# KiCad board panel.kicad_pcb (continued)
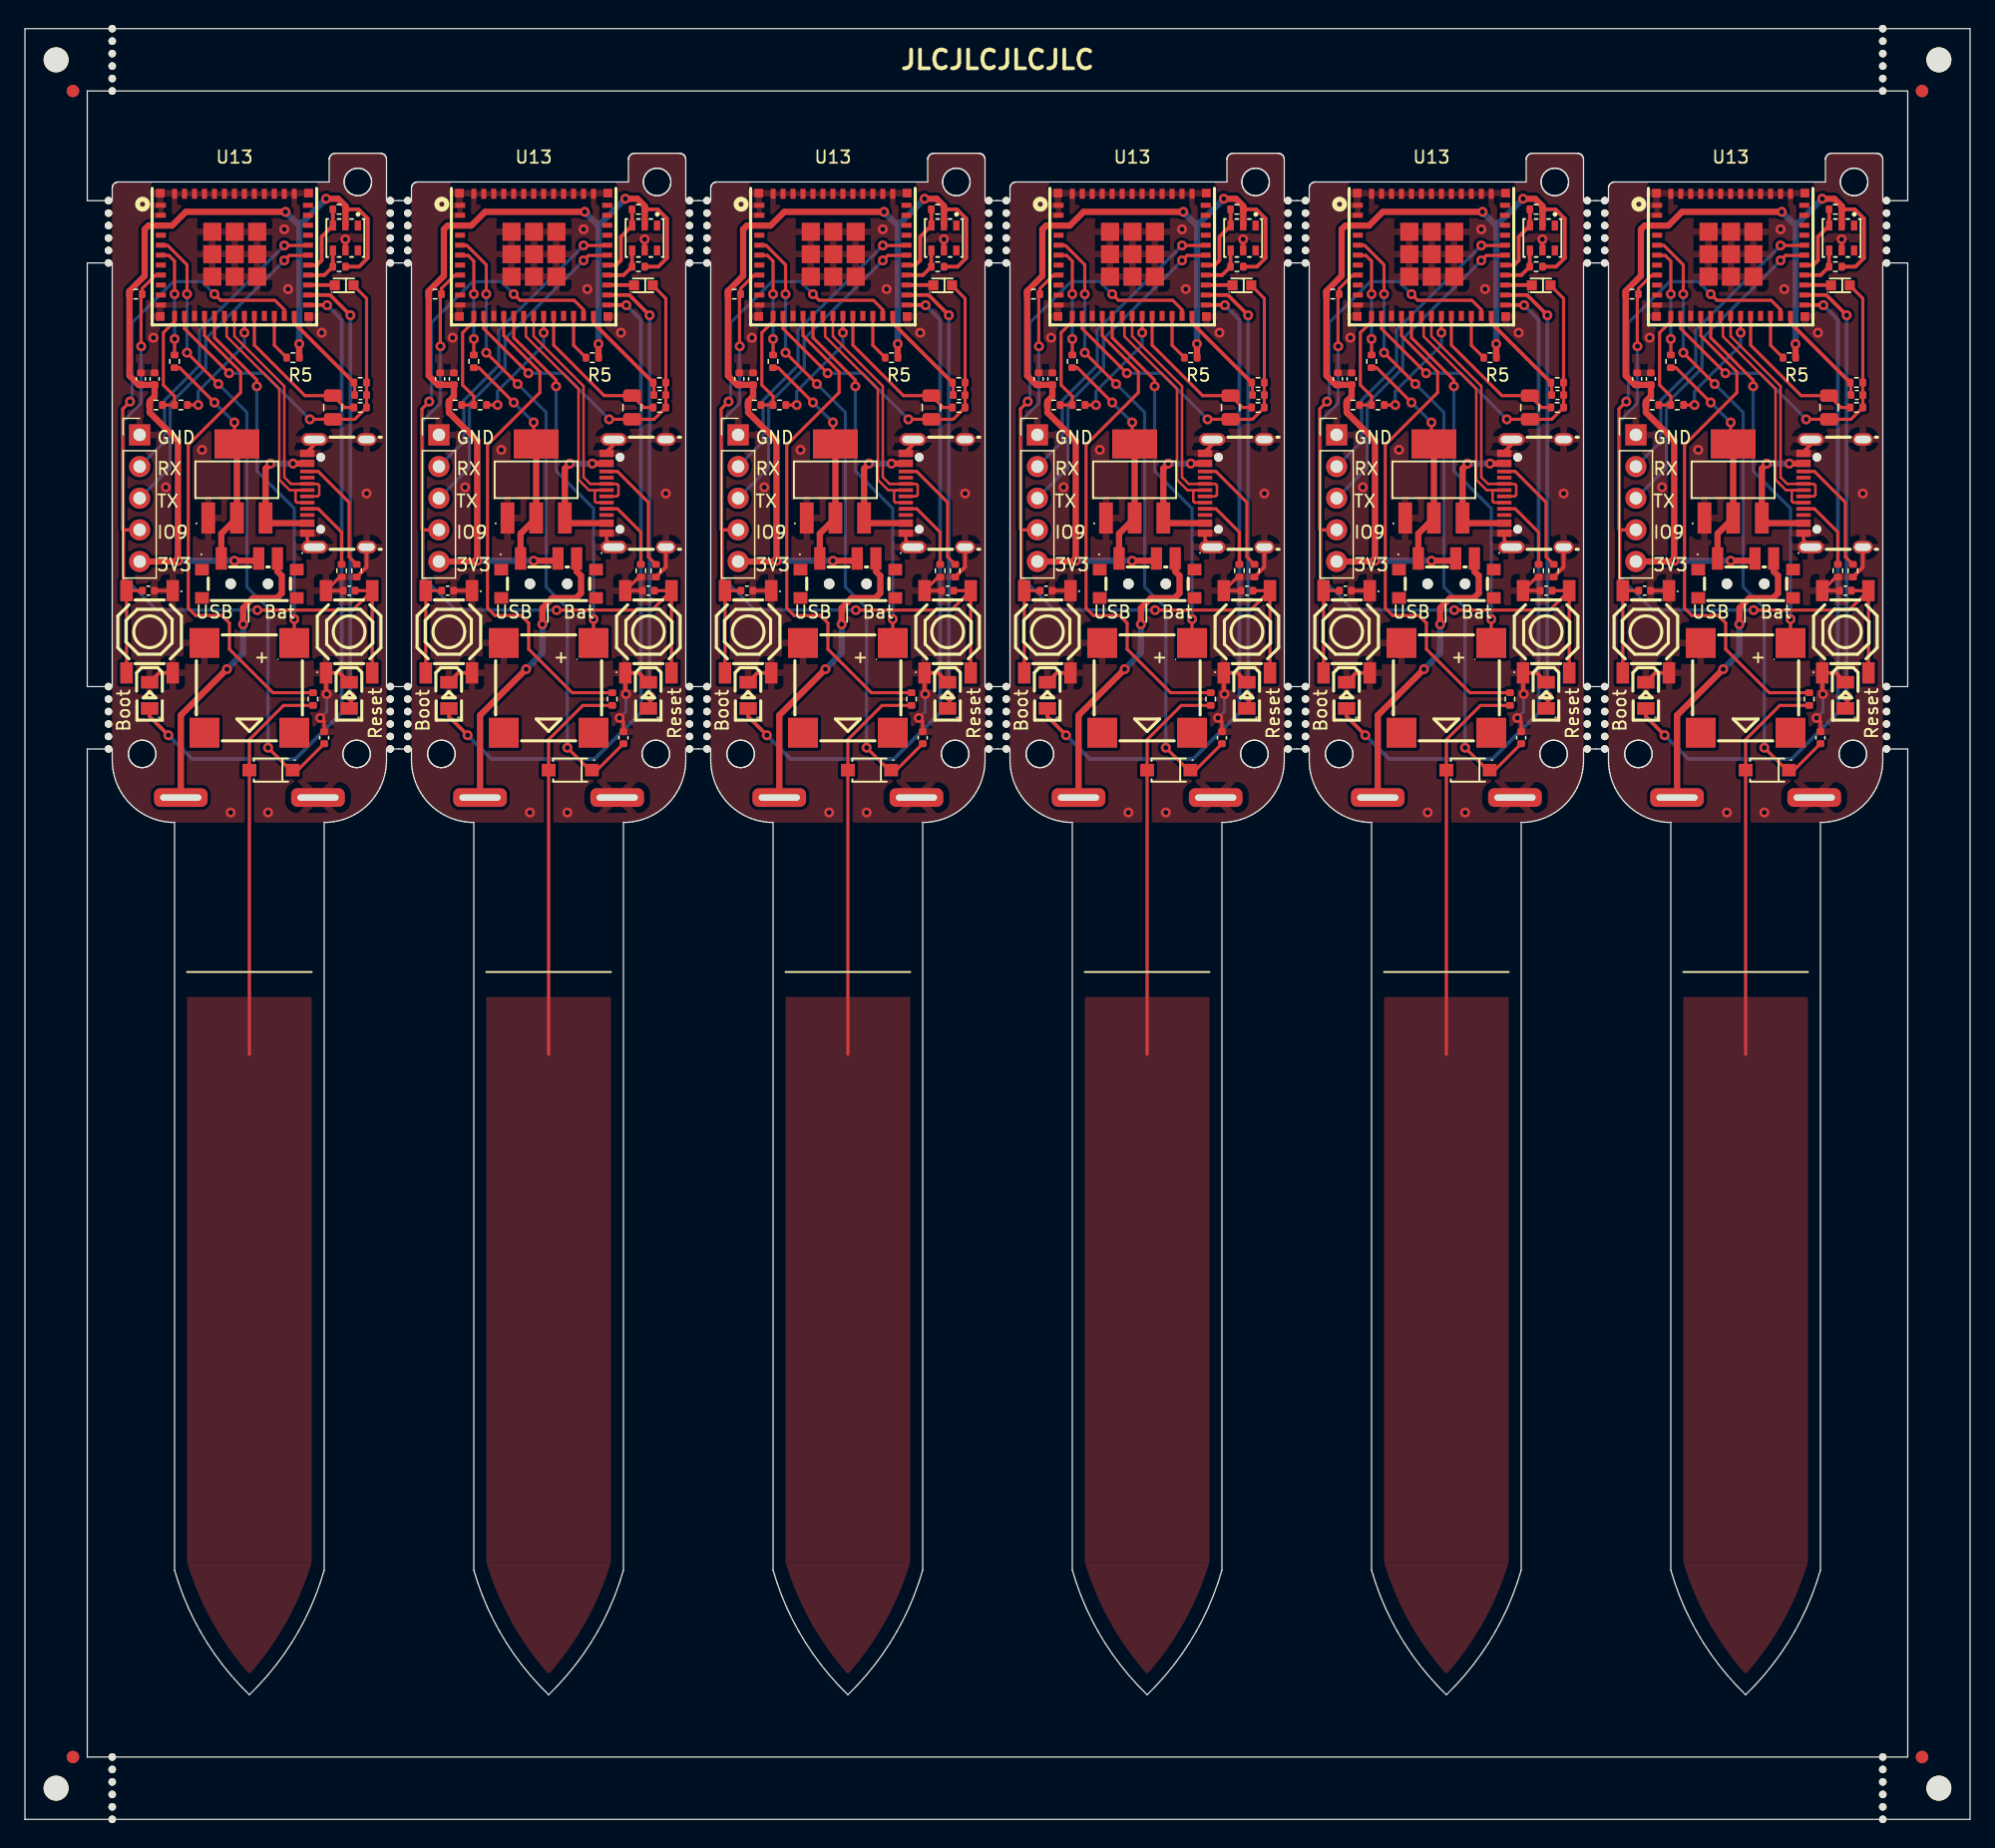
[diagram p0: board, top side]
## Routing (per net, layer and track width the routed paths; a pad name or vN(x,y) marks a point on that pad's centre or on a via; arc(x,y) is an arc through that point) (continued)
Board_2-/Buzzer: length 28.9
  Top w0.25: v1(69.6,96.31) BZ1#5.1 ; v1(66.6,115) 66.6,115.5 63.2,118.9 63.2,120.6
  Bottom w0.25: v1(69.6,96.31) 69.6,105.2 66.6,108.2 v1(66.6,115)
Board_2-/D+: length 19.4
  Top w0.2: 64.8,120.6 64.8,119.02 68.8,115.02 68.8,107.7 69.33,107.17 U1#5.B6 71.47,107.17 71.6,107.04 71.6,106.3 71.47,106.17 U1#5.A6
Board_2-/D-: length 20.3
  Top w0.2: 64,120.6 64,120.1 64.18,119.92 64.18,119.01 68.4,114.78 68.4,107.5 69.23,106.67 U1#5.A7 69.82,106.67 69.7,106.55 69.7,105.79 69.82,105.67 U1#5.B7
Board_2-/EN: length 55.4
  Top w0.25: C1#4.2 U3#5.2 ; U3#5.2 74.29,97.04 v1(66.64,97.04) ; U3#5.2 U3#5.2 ; v1(57.32,118.21) 57.31,118.22 57.31,122.31 R9#5.2 57.4,122.85 58.45,123.9 58.9,123.9
  Bottom w0.25: v1(66.64,97.04) 58.56,97.04 55.9,99.7 55.9,112.22 57.31,113.63 57.31,118.2 v1(57.32,118.21)
Board_2-/IO8: length 3.7
  Top w0.25: 68,120.6 68,118.29 R5#2.1
Board_2-/IO9: length 46.2
  Top w0.25: J1.4 55.92,103.48 55.9,103.5 ; C2#4.2 U4#4.2 ; U4#4.2 U4#4.2 ; U4#4.2 55.9,98.85 55.9,103.5 ; 55.9,103.5 55.84,103.56 55.84,113.18 v1(56.43,113.77) ; v1(63.2,122.4) 63.7,121.9 68.05,121.9 68.8,121.15 68.8,120.6
  Bottom w0.25: v1(56.43,113.77) 56.6,113.94 56.6,120.1 59.9,123.4 62.2,123.4 v1(63.2,122.4)
Board_2-/LED_GREEN: length 53.7
  Top w0.3: v1(72.23,121.51) 72.22,121.52 U13#6.25 ; v1(59.5,87) 58,88.5 D1#2.1
  Bottom w0.3: v1(59.5,87) 61.4,85.1 69.7,85.1 73.4,88.8 73.4,120.34 v1(72.23,121.51)
Board_2-/LED_RED: length 35.7
  Top w0.3: U13#6.26 72.48,122.32 v1(74.1,120.7) ; D3#2.1 74.15,89.3 v1(74.15,90.1)
  Bottom w0.3: v1(74.15,90.1) 74.1,90.15 v1(74.1,120.7)
Board_2-/Light_Sensor_Analog: length 29.2
  Top w0.25: v1(64.37,116.05) 60.8,119.62 60.8,120.6 ; v1(70.85,112.35) 74.45,112.35 R3#2.1 C5#6.1 R1#3.1 75.4,122.05 U6#2.2
  Bottom w0.25: v1(64.37,116.05) 67.15,116.05 v1(70.85,112.35)
Board_2-/Light_Sensor_In: length 2.2
  Top w0.3: U13#6.27 72.82,123.13 U6#2.1
Board_2-/Light_Sensor_Select_1: length 8.4
  Top w0.25: C5#6.2 74.44,115.24 R1#3.2
  Top w0.3: U13#6.24 69.6,120.08 R1#3.2
Board_2-/Light_Sensor_Select_2: length 12.4
  Top w0.25: R3#2.2 73.65,113.3 C7#4.2 70.45,114.25 66.4,118.3 66.4,120.6
Board_2-/RX: length 26
  Top w0.25: v1(68.8,125.1) 69.2,125.5 70.7,125.5
  Bottom w0.25: J1.3 59.65,108.47 59.65,113.6 62.5,116.45 62.5,118.8 v1(68.8,125.1)
Board_2-/SensorCapV: length 31.5
  Top w0.25: R8#5.1 68.74,89.39 66,86.65 66,61.4
Board_2-/Square_Wave_Signal: length 40.4
  Top w0.25: R8#5.2 67.89,90.41 64.4,93.9 64.4,96 63.8,96.6 61.7,96.6 61.1,97.2 61.1,110.3 65.3,114.5 65.3,116.16 62.4,119.06 62.4,120.6
Board_2-/TH_SCL: length 5.7
  Top w0.3: U13#6.29 71.42,124.72 71.8,125.1 71.8,127 U5.3 72.7,129.19 R2.1
Board_2-/TH_SDA: length 3.6
  Top w0.3: U5.4 72.69,125.89 R10#5.1 72.01,123.92 U13#6.28
Board_2-/TX: length 24.4
  Top w0.25: v1(68.8,126.3) 70.7,126.3
  Bottom w0.25: v1(68.8,126.3) 62,119.5 62,116.68 59.2,113.88 59.2,110.56 J1.2
Board_2-/USB: length 18.1
  Top w0.25: R7#4.1 60.41,116.49 v1(63.2,113.7) ; U7#3.4 64.8,110.57 v1(64.8,112.1)
  Top w0.5: U8.1 63.75,103.18 U7#3.2 U7#3.4
  Bottom w0.25: v1(63.2,113.7) v1(64.8,112.1)
Board_2-/Voltage_Measurement_Analog: length 8.8
  Top w0.25: 60,120.6 60,120.2 59.1,119.3 59.1,115.1 60,114.2 R6#5.1 R4#4.2
Board_2-/Voltage_Measurement_Select: length 9.5
  Top w0.25: v1(61.9,113.5) R6#5.2 ; v1(65.6,119.3) 65.6,120.6
  Bottom w0.25: v1(61.9,113.5) 61.9,114.6 65.6,118.3 v1(65.6,119.3)
Board_2-GND: length 19.9
  Top w0.25: 72.1,98.42 72.12,98.4 ; v1(71.69,88.39) 72,88.08 C3#3.1 ; U1#5.1 70.64,102.67 U1#5.A1B12 ; C1#4.1 U3#5.1 73.24,99.69 R11.1 ; C2#4.1 U4#4.1
  Top w0.3: D3#2.2 73.25,92 U3#5.1 72.15,90.35 v1(72.2,90.3) ; D1#2.2 58.75,92 U4#4.1 ; R12#5.1 75.4,100.49 U1#5.4 ; U1#5.B1A12 70.64,109.74 71.22,110.32 ; U5.5 v1(73.7,126.8)
  Bottom w0.25: v1(71.69,88.39) 72.2,88.9 v1(72.2,90.3)
  vias: v1(58.3,118.9) v1(59.3,106.9) v1(62.2,109.9) v1(64.5,80.8) v1(67.5,80.8) v1(68.8,127.6) v1(69.1,122.8) v1(71.8,119.3) v1(75.4,106.4)
Board_2-Net-(U1-CC1): length 6.1
  Top w0.25: U1#5.A5 71.52,105.17 73.4,103.29 R11.2
Board_2-Net-(U1-CC2): length 9.6
  Top w0.25: R12#5.2 74,101.31 74,105.69 71.52,108.17 U1#5.B5
Board_2-Net-(U7-VIN): length 11.1
  Top w0.5: U1#5.B4A9 70.63,108.8 v1(69.5,108.8) ; v1(67.7,108.8) 67.3,108.4 U7#3.3 ; U7#3.3 67.71,104.02 U1#5.A4B9 ; U7#3.3 67.37,104.5
  Bottom w0.5: v1(67.7,108.8) v1(69.5,108.8)
Board_2-Net-(U13-IO3): length 8.8
  Top w0.25: v1(60,122.4) 60,125.05 59.55,125.5 58.9,125.5 ; v1(60,118.8) R7#4.2
  Bottom w0.25: v1(60,122.4) v1(60,118.8)
Board_3-+3V3: length 77.3
  Top w0.3: R2#4.2 98.75,129.2 99.5,128.45 99.5,125.3 98.8,124.6 R10#6.2
  Top w0.5: v1(92.9,129) 84.9,129 83.8,127.9 81.9,127.9 81.6,127.6 81.6,123.86 80.38,122.64 80.38,115.85 81.11,115.12 C8#6.1 82.4,114.2 82,113.8 R4.1 82,112.9 84.28,110.62 ; v1(94,118.4) 94,117.31 R5#5.2 ; 84.28,110.62 84.28,110.68 ; 84.28,110.62 v1(84.28,101) 84.22,100.94 J1#3.5 ; v1(96.15,130.05) 97.12,130.05 97.71,129.46 R2#4.2 97.71,127.91 U5#2.2 ; v1(88.8,101) 90.57,101 U8#6.2
  Bottom w0.5: v1(88.8,101) v1(84.28,101) ; v1(92.9,129) 94,127.9 ; 94,127.9 v1(96.15,130.05) ; 94,127.9 v1(94,118.4)
Board_3-/AD_Capacitance: length 50.3
  Top w0.25: 82.9,126.3 83.45,126.3 85,124.75 v1(85,122.4) ; v1(85,117.7) v1(87.51,115.19) ; C3#6.2 93.88,84.2 D2#4.1 93.3,84.2 v1(91.5,86)
  Bottom w0.25: v1(85,117.7) v1(85,122.4) ; v1(91.5,86) 91.5,97.2 89.8,98.9 89.8,112.9 v1(87.51,115.19)
Board_3-/BAT: length 24.2
  Top w0.5: v1(88.2,92.3) 84.5,88.6 84.5,81.9 ; v1(89.5,95.9) 89.5,97.2 90.3,98 92.2,98 92.6,98.4 92.6,99.8 92.25,100.15 92.25,101.45
  Bottom w0.5: v1(88.2,92.3) 89.5,93.6 v1(89.5,95.9)
Board_3-/Buzzer: length 28.9
  Top w0.25: 87.2,120.6 87.2,118.9 90.6,115.5 v1(90.6,115) ; v1(93.6,96.31) BZ1#2.1
  Bottom w0.25: v1(93.6,96.31) 93.6,105.2 90.6,108.2 v1(90.6,115)
Board_3-/D+: length 19.4
  Top w0.2: U1#2.A6 95.47,106.17 95.6,106.3 95.6,107.04 95.47,107.17 U1#2.B6 93.33,107.17 92.8,107.7 92.8,115.02 88.8,119.02 88.8,120.6
Board_3-/D-: length 20.3
  Top w0.2: 88,120.6 88,120.1 88.18,119.92 88.18,119.01 92.4,114.78 92.4,107.5 93.23,106.67 U1#2.A7 93.82,106.67 93.7,106.55 93.7,105.79 93.82,105.67 U1#2.B7
Board_3-/EN: length 55.4
  Top w0.25: U3#3.2 U3#3.2 ; U3#3.2 C1.2 ; U3#3.2 98.29,97.04 v1(90.64,97.04) ; v1(81.32,118.21) 81.31,118.22 81.31,122.31 R9.2 81.4,122.85 82.45,123.9 82.9,123.9
  Bottom w0.25: v1(81.32,118.21) 81.31,118.2 81.31,113.63 79.9,112.22 79.9,99.7 82.56,97.04 v1(90.64,97.04)
Board_3-/IO8: length 3.7
  Top w0.25: R5#5.1 92,118.29 92,120.6
Board_3-/IO9: length 46.2
  Top w0.25: C2#6.2 U4.2 ; U4.2 79.9,98.85 79.9,103.5 ; U4.2 U4.2 ; v1(80.43,113.77) 79.84,113.18 79.84,103.56 79.9,103.5 ; 92.8,120.6 92.8,121.15 92.05,121.9 87.7,121.9 v1(87.2,122.4) ; 79.9,103.5 79.92,103.48 J1#3.4
  Bottom w0.25: v1(87.2,122.4) 86.2,123.4 83.9,123.4 80.6,120.1 80.6,113.94 v1(80.43,113.77)
Board_3-/LED_GREEN: length 53.7
  Top w0.3: v1(83.5,87) 82,88.5 D1#5.1 ; v1(96.23,121.51) 96.22,121.52 U13#3.25
  Bottom w0.3: v1(83.5,87) 85.4,85.1 93.7,85.1 97.4,88.8 97.4,120.34 v1(96.23,121.51)
Board_3-/LED_RED: length 35.7
  Top w0.3: v1(98.1,120.7) 96.48,122.32 U13#3.26 ; D3#5.1 98.15,89.3 v1(98.15,90.1)
  Bottom w0.3: v1(98.1,120.7) 98.1,90.15 v1(98.15,90.1)
Board_3-/Light_Sensor_Analog: length 29.2
  Top w0.25: U6#3.2 99.4,122.05 R1#6.1 C5#3.1 R3#6.1 98.45,112.35 v1(94.85,112.35) ; v1(88.37,116.05) 84.8,119.62 84.8,120.6
  Bottom w0.25: v1(88.37,116.05) 91.15,116.05 v1(94.85,112.35)
Board_3-/Light_Sensor_In: length 2.2
  Top w0.3: U13#3.27 96.82,123.13 U6#3.1
Board_3-/Light_Sensor_Select_1: length 8.4
  Top w0.25: R1#6.2 98.44,115.24 C5#3.2
  Top w0.3: R1#6.2 93.6,120.08 U13#3.24
Board_3-/Light_Sensor_Select_2: length 12.4
  Top w0.25: R3#6.2 97.65,113.3 C7#2.2 94.45,114.25 90.4,118.3 90.4,120.6
Board_3-/RX: length 26
  Top w0.25: 94.7,125.5 93.2,125.5 v1(92.8,125.1)
  Bottom w0.25: J1#3.3 83.65,108.47 83.65,113.6 86.5,116.45 86.5,118.8 v1(92.8,125.1)
Board_3-/SensorCapV: length 31.5
  Top w0.25: R8#3.1 92.74,89.39 90,86.65 90,61.4
Board_3-/Square_Wave_Signal: length 40.4
  Top w0.25: R8#3.2 91.89,90.41 88.4,93.9 88.4,96 87.8,96.6 85.7,96.6 85.1,97.2 85.1,110.3 89.3,114.5 89.3,116.16 86.4,119.06 86.4,120.6
Board_3-/TH_SCL: length 5.7
  Top w0.3: U13#3.29 95.42,124.72 95.8,125.1 95.8,127 U5#2.3 96.7,129.19 R2#4.1
Board_3-/TH_SDA: length 3.6
  Top w0.3: U5#2.4 96.69,125.89 R10#6.1 96.01,123.92 U13#3.28
Board_3-/TX: length 24.4
  Top w0.25: v1(92.8,126.3) 94.7,126.3
  Bottom w0.25: J1#3.2 83.2,110.56 83.2,113.88 86,116.68 86,119.5 v1(92.8,126.3)
Board_3-/USB: length 18.1
  Top w0.25: v1(87.2,113.7) 84.41,116.49 R7#5.1 ; U7.4 88.8,110.57 v1(88.8,112.1)
  Top w0.5: U8#6.1 87.75,103.18 U7.2 U7.4
  Bottom w0.25: v1(87.2,113.7) v1(88.8,112.1)
Board_3-/Voltage_Measurement_Analog: length 8.8
  Top w0.25: 84,120.6 84,120.2 83.1,119.3 83.1,115.1 84,114.2 R6#6.1 R4.2
Board_3-/Voltage_Measurement_Select: length 9.5
  Top w0.25: v1(85.9,113.5) R6#6.2 ; v1(89.6,119.3) 89.6,120.6
  Bottom w0.25: v1(89.6,119.3) 89.6,118.3 85.9,114.6 v1(85.9,113.5)
Board_3-GND: length 19.9
  Top w0.25: 96.1,98.42 96.12,98.4 ; C2#6.1 U4.1 ; v1(95.69,88.39) 96,88.08 C3#6.1 ; U1#2.1 94.64,102.67 U1#2.A1B12 ; C1.1 U3#3.1 97.24,99.69 R11#2.1
  Top w0.3: v1(96.2,90.3) 96.15,90.35 U3#3.1 97.25,92 D3#5.2 ; U1#2.4 99.4,100.49 R12#2.1 ; U5#2.5 v1(97.7,126.8) ; U4.1 82.75,92 D1#5.2 ; 95.22,110.32 94.64,109.74 U1#2.B1A12
  Bottom w0.25: v1(95.69,88.39) 96.2,88.9 v1(96.2,90.3)
  vias: v1(82.3,118.9) v1(83.3,106.9) v1(86.2,109.9) v1(88.5,80.8) v1(91.5,80.8) v1(92.8,127.6) v1(93.1,122.8) v1(95.8,119.3) v1(99.4,106.4)
Board_3-Net-(U1-CC1): length 6.1
  Top w0.25: R11#2.2 97.4,103.29 95.52,105.17 U1#2.A5
Board_3-Net-(U1-CC2): length 9.6
  Top w0.25: U1#2.B5 95.52,108.17 98,105.69 98,101.31 R12#2.2
Board_3-Net-(U7-VIN): length 11.1
  Top w0.5: U1#2.B4A9 94.63,108.8 v1(93.5,108.8) ; U7.3 91.37,104.5 ; U7.3 91.3,108.4 v1(91.7,108.8) ; U7.3 91.71,104.02 U1#2.A4B9
  Bottom w0.5: v1(91.7,108.8) v1(93.5,108.8)
Board_3-Net-(U13-IO3): length 8.8
  Top w0.25: v1(84,122.4) 84,125.05 83.55,125.5 82.9,125.5 ; v1(84,118.8) R7#5.2
  Bottom w0.25: v1(84,122.4) v1(84,118.8)
Board_4-+3V3: length 77.3
  Top w0.3: R2#2.2 122.75,129.2 123.5,128.45 123.5,125.3 122.8,124.6 R10#3.2
  Top w0.5: 108.28,110.62 106,112.9 R4#5.1 106,113.8 106.4,114.2 C8#2.1 105.11,115.12 104.38,115.85 104.38,122.64 105.6,123.86 105.6,127.6 105.9,127.9 107.8,127.9 108.9,129 v1(116.9,129) ; 108.28,110.62 108.28,110.68 ; 108.28,110.62 v1(108.28,101) 108.22,100.94 J1#5.5 ; v1(120.15,130.05) 121.12,130.05 121.71,129.46 R2#2.2 121.71,127.91 U5#3.2 ; U8#3.2 114.57,101 v1(112.8,101) ; R5#4.2 118,117.31 v1(118,118.4)
  Bottom w0.5: v1(116.9,129) 118,127.9 ; 118,127.9 v1(118,118.4) ; 118,127.9 v1(120.15,130.05) ; v1(112.8,101) v1(108.28,101)
Board_4-/AD_Capacitance: length 50.3
  Top w0.25: v1(109,122.4) 109,124.75 107.45,126.3 106.9,126.3 ; C3#2.2 117.88,84.2 D2#3.1 117.3,84.2 v1(115.5,86) ; v1(109,117.7) v1(111.51,115.19)
  Bottom w0.25: v1(111.51,115.19) 113.8,112.9 113.8,98.9 115.5,97.2 v1(115.5,86) ; v1(109,117.7) v1(109,122.4)
Board_4-/BAT: length 24.2
  Top w0.5: 108.5,81.9 108.5,88.6 v1(112.2,92.3) ; 116.25,101.45 116.25,100.15 116.6,99.8 116.6,98.4 116.2,98 114.3,98 113.5,97.2 v1(113.5,95.9)
  Bottom w0.5: v1(113.5,95.9) 113.5,93.6 v1(112.2,92.3)
Board_4-/Buzzer: length 28.9
  Top w0.25: 111.2,120.6 111.2,118.9 114.6,115.5 v1(114.6,115) ; v1(117.6,96.31) BZ1#6.1
  Bottom w0.25: v1(114.6,115) 114.6,108.2 117.6,105.2 v1(117.6,96.31)
Board_4-/D+: length 19.4
  Top w0.2: 112.8,120.6 112.8,119.02 116.8,115.02 116.8,107.7 117.33,107.17 U1#4.B6 119.47,107.17 119.6,107.04 119.6,106.3 119.47,106.17 U1#4.A6
Board_4-/D-: length 20.3
  Top w0.2: 112,120.6 112,120.1 112.17,119.92 112.17,119.01 116.4,114.78 116.4,107.5 117.23,106.67 U1#4.A7 117.82,106.67 117.7,106.55 117.7,105.79 117.82,105.67 U1#4.B7
Board_4-/EN: length 55.4
  Top w0.25: C1#5.2 U3#4.2 ; U3#4.2 U3#4.2 ; U3#4.2 122.29,97.04 v1(114.64,97.04) ; 106.9,123.9 106.45,123.9 105.4,122.85 R9#3.2 105.31,122.31 105.31,118.22 v1(105.32,118.21)
  Bottom w0.25: v1(105.32,118.21) 105.31,118.2 105.31,113.63 103.9,112.22 103.9,99.7 106.56,97.04 v1(114.64,97.04)
Board_4-/IO8: length 3.7
  Top w0.25: 116,120.6 116,118.29 R5#4.1
Board_4-/IO9: length 46.2
  Top w0.25: C2.2 U4#5.2 ; U4#5.2 103.9,98.85 103.9,103.5 ; U4#5.2 U4#5.2 ; 103.9,103.5 103.92,103.48 J1#5.4 ; 103.9,103.5 103.84,103.56 103.84,113.18 v1(104.43,113.77) ; v1(111.2,122.4) 111.7,121.9 116.05,121.9 116.8,121.15 116.8,120.6
  Bottom w0.25: v1(111.2,122.4) 110.2,123.4 107.9,123.4 104.6,120.1 104.6,113.94 v1(104.43,113.77)
Board_4-/LED_GREEN: length 53.7
  Top w0.3: U13.25 120.22,121.52 v1(120.23,121.51) ; v1(107.5,87) 106,88.5 D1#3.1
  Bottom w0.3: v1(120.23,121.51) 121.4,120.34 121.4,88.8 117.7,85.1 109.4,85.1 v1(107.5,87)
Board_4-/LED_RED: length 35.7
  Top w0.3: v1(122.15,90.1) 122.15,89.3 D3#3.1 ; U13.26 120.48,122.32 v1(122.1,120.7)
  Bottom w0.3: v1(122.1,120.7) 122.1,90.15 v1(122.15,90.1)
Board_4-/Light_Sensor_Analog: length 29.2
  Top w0.25: v1(118.85,112.35) 122.45,112.35 R3#5.1 C5#2.1 R1#4.1 123.4,122.05 U6#6.2 ; v1(112.37,116.05) 108.8,119.62 108.8,120.6
  Bottom w0.25: v1(118.85,112.35) 115.15,116.05 v1(112.37,116.05)
Board_4-/Light_Sensor_In: length 2.2
  Top w0.3: U13.27 120.82,123.13 U6#6.1
Board_4-/Light_Sensor_Select_1: length 8.4
  Top w0.25: C5#2.2 122.44,115.24 R1#4.2
  Top w0.3: U13.24 117.6,120.08 R1#4.2
Board_4-/Light_Sensor_Select_2: length 12.4
  Top w0.25: R3#5.2 121.65,113.3 C7.2 118.45,114.25 114.4,118.3 114.4,120.6
Board_4-/RX: length 26
  Top w0.25: v1(116.8,125.1) 117.2,125.5 118.7,125.5
  Bottom w0.25: J1#5.3 107.65,108.47 107.65,113.6 110.5,116.45 110.5,118.8 v1(116.8,125.1)
Board_4-/SensorCapV: length 31.5
  Top w0.25: 114,61.4 114,86.65 116.74,89.39 R8#2.1
Board_4-/Square_Wave_Signal: length 40.4
  Top w0.25: 110.4,120.6 110.4,119.06 113.3,116.16 113.3,114.5 109.1,110.3 109.1,97.2 109.7,96.6 111.8,96.6 112.4,96 112.4,93.9 115.89,90.41 R8#2.2
Board_4-/TH_SCL: length 5.7
  Top w0.3: U13.29 119.42,124.72 119.8,125.1 119.8,127 U5#3.3 120.7,129.19 R2#2.1
Board_4-/TH_SDA: length 3.6
  Top w0.3: U5#3.4 120.69,125.89 R10#3.1 120.01,123.92 U13.28
Board_4-/TX: length 24.4
  Top w0.25: v1(116.8,126.3) 118.7,126.3
  Bottom w0.25: J1#5.2 107.2,110.56 107.2,113.88 110,116.68 110,119.5 v1(116.8,126.3)
Board_4-/USB: length 18.1
  Top w0.25: v1(112.8,112.1) 112.8,110.57 U7#5.4 ; R7#2.1 108.41,116.49 v1(111.2,113.7)
  Top w0.5: U8#3.1 111.75,103.18 U7#5.2 U7#5.4
  Bottom w0.25: v1(111.2,113.7) v1(112.8,112.1)
Board_4-/Voltage_Measurement_Analog: length 8.8
  Top w0.25: 108,120.6 108,120.2 107.1,119.3 107.1,115.1 108,114.2 R6#2.1 R4#5.2
Board_4-/Voltage_Measurement_Select: length 9.5
  Top w0.25: v1(113.6,119.3) 113.6,120.6 ; v1(109.9,113.5) R6#2.2
  Bottom w0.25: v1(113.6,119.3) 113.6,118.3 109.9,114.6 v1(109.9,113.5)
Board_4-GND: length 19.9
  Top w0.25: U1#4.A1B12 118.64,102.67 U1#4.1 ; C2.1 U4#5.1 ; C1#5.1 U3#4.1 121.24,99.69 R11#3.1 ; C3#2.1 120,88.08 v1(119.69,88.39) ; 120.1,98.42 120.12,98.4
  Top w0.3: R12.1 123.4,100.49 U1#4.4 ; U4#5.1 106.75,92 D1#3.2 ; U1#4.B1A12 118.64,109.74 119.22,110.32 ; U5#3.5 v1(121.7,126.8) ; D3#3.2 121.25,92 U3#4.1 120.15,90.35 v1(120.2,90.3)
  Bottom w0.25: v1(120.2,90.3) 120.2,88.9 v1(119.69,88.39)
  vias: v1(106.3,118.9) v1(107.3,106.9) v1(110.2,109.9) v1(112.5,80.8) v1(115.5,80.8) v1(116.8,127.6) v1(117.1,122.8) v1(119.8,119.3) v1(123.4,106.4)
Board_4-Net-(U1-CC1): length 6.1
  Top w0.25: R11#3.2 121.4,103.29 119.52,105.17 U1#4.A5
Board_4-Net-(U1-CC2): length 9.6
  Top w0.25: U1#4.B5 119.52,108.17 122,105.69 122,101.31 R12.2
Board_4-Net-(U7-VIN): length 11.1
  Top w0.5: v1(117.5,108.8) 118.63,108.8 U1#4.B4A9 ; U7#5.3 115.3,108.4 v1(115.7,108.8) ; U7#5.3 115.71,104.02 U1#4.A4B9 ; U7#5.3 115.37,104.5
  Bottom w0.5: v1(115.7,108.8) v1(117.5,108.8)
Board_4-Net-(U13-IO3): length 8.8
  Top w0.25: v1(108,122.4) 108,125.05 107.55,125.5 106.9,125.5 ; v1(108,118.8) R7#2.2
  Bottom w0.25: v1(108,122.4) v1(108,118.8)
Board_5-+3V3: length 77.3
  Top w0.3: R2#5.2 146.75,129.2 147.5,128.45 147.5,125.3 146.8,124.6 R10#2.2
  Top w0.5: 132.28,110.62 v1(132.28,101) 132.22,100.94 J1#6.5 ; 132.28,110.62 130,112.9 R4#2.1 130,113.8 130.4,114.2 C8#5.1 129.11,115.12 128.38,115.85 128.38,122.64 129.6,123.86 129.6,127.6 129.9,127.9 131.8,127.9 132.9,129 v1(140.9,129) ; 132.28,110.62 132.28,110.68 ; U8#4.2 138.57,101 v1(136.8,101) ; v1(142,118.4) 142,117.31 R5#6.2 ; v1(144.15,130.05) 145.12,130.05 145.71,129.46 R2#5.2 145.71,127.91 U5#5.2
  Bottom w0.5: v1(142,118.4) 142,127.9 ; 142,127.9 v1(144.15,130.05) ; 142,127.9 v1(140.9,129) ; v1(136.8,101) v1(132.28,101)
Board_5-/AD_Capacitance: length 50.3
  Top w0.25: v1(133,117.7) v1(135.51,115.19) ; C3.2 141.88,84.2 D2#5.1 141.3,84.2 v1(139.5,86) ; v1(133,122.4) 133,124.75 131.45,126.3 130.9,126.3
  Bottom w0.25: v1(139.5,86) 139.5,97.2 137.8,98.9 137.8,112.9 v1(135.51,115.19) ; v1(133,117.7) v1(133,122.4)
Board_5-/BAT: length 24.2
  Top w0.5: 140.25,101.45 140.25,100.15 140.6,99.8 140.6,98.4 140.2,98 138.3,98 137.5,97.2 v1(137.5,95.9) ; v1(136.2,92.3) 132.5,88.6 132.5,81.9
  Bottom w0.5: v1(137.5,95.9) 137.5,93.6 v1(136.2,92.3)
Board_5-/Buzzer: length 28.9
  Top w0.25: v1(141.6,96.31) BZ1#3.1 ; 135.2,120.6 135.2,118.9 138.6,115.5 v1(138.6,115)
  Bottom w0.25: v1(138.6,115) 138.6,108.2 141.6,105.2 v1(141.6,96.31)
Board_5-/D+: length 19.4
  Top w0.2: U1.A6 143.47,106.17 143.6,106.3 143.6,107.04 143.47,107.17 U1.B6 141.33,107.17 140.8,107.7 140.8,115.02 136.8,119.02 136.8,120.6
Board_5-/D-: length 20.3
  Top w0.2: U1.B7 141.82,105.67 141.7,105.79 141.7,106.55 141.82,106.67 U1.A7 141.23,106.67 140.4,107.5 140.4,114.78 136.17,119.01 136.17,119.92 136,120.1 136,120.6
Board_5-/EN: length 55.4
  Top w0.25: 130.9,123.9 130.45,123.9 129.4,122.85 R9#2.2 129.31,122.31 129.31,118.22 v1(129.32,118.21) ; U3.2 U3.2 ; U3.2 C1#6.2 ; U3.2 146.29,97.04 v1(138.64,97.04)
  Bottom w0.25: v1(138.64,97.04) 130.56,97.04 127.9,99.7 127.9,112.22 129.31,113.63 129.31,118.2 v1(129.32,118.21)
Board_5-/IO8: length 3.7
  Top w0.25: 140,120.6 140,118.29 R5#6.1
Board_5-/IO9: length 46.2
  Top w0.25: U4#3.2 127.9,98.85 127.9,103.5 ; U4#3.2 C2#2.2 ; U4#3.2 U4#3.2 ; J1#6.4 127.92,103.48 127.9,103.5 ; 127.9,103.5 127.84,103.56 127.84,113.18 v1(128.43,113.77) ; v1(135.2,122.4) 135.7,121.9 140.05,121.9 140.8,121.15 140.8,120.6
  Bottom w0.25: v1(135.2,122.4) 134.2,123.4 131.9,123.4 128.6,120.1 128.6,113.94 v1(128.43,113.77)
Board_5-/LED_GREEN: length 53.7
  Top w0.3: D1#4.1 130,88.5 v1(131.5,87) ; U13#2.25 144.22,121.52 v1(144.23,121.51)
  Bottom w0.3: v1(144.23,121.51) 145.4,120.34 145.4,88.8 141.7,85.1 133.4,85.1 v1(131.5,87)
Board_5-/LED_RED: length 35.7
  Top w0.3: v1(146.1,120.7) 144.48,122.32 U13#2.26 ; D3#6.1 146.15,89.3 v1(146.15,90.1)
  Bottom w0.3: v1(146.1,120.7) 146.1,90.15 v1(146.15,90.1)
Board_5-/Light_Sensor_Analog: length 29.2
  Top w0.25: v1(136.37,116.05) 132.8,119.62 132.8,120.6 ; U6#5.2 147.4,122.05 R1.1 C5#5.1 R3#4.1 146.45,112.35 v1(142.85,112.35)
  Bottom w0.25: v1(142.85,112.35) 139.15,116.05 v1(136.37,116.05)
Board_5-/Light_Sensor_In: length 2.2
  Top w0.3: U6#5.1 144.82,123.13 U13#2.27
Board_5-/Light_Sensor_Select_1: length 8.4
  Top w0.25: C5#5.2 146.44,115.24 R1.2
  Top w0.3: R1.2 141.6,120.08 U13#2.24
Board_5-/Light_Sensor_Select_2: length 12.4
  Top w0.25: R3#4.2 145.65,113.3 C7#5.2 142.45,114.25 138.4,118.3 138.4,120.6
Board_5-/RX: length 26
  Top w0.25: v1(140.8,125.1) 141.2,125.5 142.7,125.5
  Bottom w0.25: v1(140.8,125.1) 134.5,118.8 134.5,116.45 131.65,113.6 131.65,108.47 J1#6.3
Board_5-/SensorCapV: length 31.5
  Top w0.25: R8.1 140.74,89.39 138,86.65 138,61.4
Board_5-/Square_Wave_Signal: length 40.4
  Top w0.25: 134.4,120.6 134.4,119.06 137.3,116.16 137.3,114.5 133.1,110.3 133.1,97.2 133.7,96.6 135.8,96.6 136.4,96 136.4,93.9 139.89,90.41 R8.2
Board_5-/TH_SCL: length 5.7
  Top w0.3: U13#2.29 143.42,124.72 143.8,125.1 143.8,127 U5#5.3 144.7,129.19 R2#5.1
Board_5-/TH_SDA: length 3.6
  Top w0.3: U5#5.4 144.69,125.89 R10#2.1 144.01,123.92 U13#2.28
Board_5-/TX: length 24.4
  Top w0.25: v1(140.8,126.3) 142.7,126.3
  Bottom w0.25: v1(140.8,126.3) 134,119.5 134,116.68 131.2,113.88 131.2,110.56 J1#6.2
Board_5-/USB: length 18.1
  Top w0.25: U7#6.4 136.8,110.57 v1(136.8,112.1) ; v1(135.2,113.7) 132.41,116.49 R7#6.1
  Top w0.5: U7#6.4 U7#6.2 135.75,103.18 U8#4.1
  Bottom w0.25: v1(135.2,113.7) v1(136.8,112.1)
Board_5-/Voltage_Measurement_Analog: length 8.8
  Top w0.25: 132,120.6 132,120.2 131.1,119.3 131.1,115.1 132,114.2 R6#4.1 R4#2.2
Board_5-/Voltage_Measurement_Select: length 9.5
  Top w0.25: v1(133.9,113.5) R6#4.2 ; v1(137.6,119.3) 137.6,120.6
  Bottom w0.25: v1(133.9,113.5) 133.9,114.6 137.6,118.3 v1(137.6,119.3)
Board_5-GND: length 19.9
  Top w0.25: C1#6.1 U3.1 145.24,99.69 R11#5.1 ; v1(143.69,88.39) 144,88.08 C3.1 ; U1.A1B12 142.64,102.67 U1.1 ; C2#2.1 U4#3.1 ; 144.1,98.42 144.12,98.4
  Top w0.3: D3#6.2 145.25,92 U3.1 144.15,90.35 v1(144.2,90.3) ; U5#5.5 v1(145.7,126.8) ; U1.B1A12 142.64,109.74 143.22,110.32 ; R12#3.1 147.4,100.49 U1.4 ; D1#4.2 130.75,92 U4#3.1
  Bottom w0.25: v1(144.2,90.3) 144.2,88.9 v1(143.69,88.39)
  vias: v1(130.3,118.9) v1(131.3,106.9) v1(134.2,109.9) v1(136.5,80.8) v1(139.5,80.8) v1(140.8,127.6) v1(141.1,122.8) v1(143.8,119.3) v1(147.4,106.4)
Board_5-Net-(U1-CC1): length 6.1
  Top w0.25: U1.A5 143.52,105.17 145.4,103.29 R11#5.2
Board_5-Net-(U1-CC2): length 9.6
  Top w0.25: R12#3.2 146,101.31 146,105.69 143.52,108.17 U1.B5
Board_5-Net-(U7-VIN): length 11.1
  Top w0.5: U1.A4B9 139.71,104.02 U7#6.3 ; v1(141.5,108.8) 142.63,108.8 U1.B4A9 ; U7#6.3 139.3,108.4 v1(139.7,108.8) ; U7#6.3 139.37,104.5
  Bottom w0.5: v1(139.7,108.8) v1(141.5,108.8)
Board_5-Net-(U13-IO3): length 8.8
  Top w0.25: 130.9,125.5 131.55,125.5 132,125.05 v1(132,122.4) ; v1(132,118.8) R7#6.2
  Bottom w0.25: v1(132,122.4) v1(132,118.8)

## Copper pours and planes (outline as drawn; the poured copper is in the pictures)
Board_0-/SensorCapV on Top: 13,66 23,66 23,20.65 13,20.65
Board_0-/SensorCapV on Top: 15.01,15.87 13,20.65 23,20.65 20.99,15.87 18,11.65
Board_0-GND on Top: 29,133.7 7,133.7 7,80 29,80
Board_0-GND on Top, Bottom: 29,133.7 7,133.7 7,80 29,80
Board_0-GND on Bottom: 13,80 23,80 23,20.65 13,20.65
Board_0-GND on Bottom: 15.01,15.87 13,20.65 23,20.65 20.99,15.87 18,11.65
Board_1-/SensorCapV on Top: 39.01,15.87 37,20.65 47,20.65 44.99,15.87 42,11.65
Board_1-/SensorCapV on Top: 37,66 47,66 47,20.65 37,20.65
Board_1-GND on Top: 53,133.7 31,133.7 31,80 53,80
Board_1-GND on Top, Bottom: 53,133.7 31,133.7 31,80 53,80
Board_1-GND on Bottom: 39.01,15.87 37,20.65 47,20.65 44.99,15.87 42,11.65
Board_1-GND on Bottom: 37,80 47,80 47,20.65 37,20.65
Board_2-/SensorCapV on Top: 61,66 71,66 71,20.65 61,20.65
Board_2-/SensorCapV on Top: 63.01,15.87 61,20.65 71,20.65 68.99,15.87 66,11.65
Board_2-GND on Top: 77,133.7 55,133.7 55,80 77,80
Board_2-GND on Top, Bottom: 77,133.7 55,133.7 55,80 77,80
Board_2-GND on Bottom: 63.01,15.87 61,20.65 71,20.65 68.99,15.87 66,11.65
Board_2-GND on Bottom: 61,80 71,80 71,20.65 61,20.65
Board_3-/SensorCapV on Top: 85,66 95,66 95,20.65 85,20.65
Board_3-/SensorCapV on Top: 87.01,15.87 85,20.65 95,20.65 92.99,15.87 90,11.65
Board_3-GND on Top: 101,133.7 79,133.7 79,80 101,80
Board_3-GND on Top, Bottom: 101,133.7 79,133.7 79,80 101,80
Board_3-GND on Bottom: 85,80 95,80 95,20.65 85,20.65
Board_3-GND on Bottom: 87.01,15.87 85,20.65 95,20.65 92.99,15.87 90,11.65
Board_4-/SensorCapV on Top: 111.01,15.87 109,20.65 119,20.65 116.99,15.87 114,11.65
Board_4-/SensorCapV on Top: 109,66 119,66 119,20.65 109,20.65
Board_4-GND on Top: 125,133.7 103,133.7 103,80 125,80
Board_4-GND on Top, Bottom: 125,133.7 103,133.7 103,80 125,80
Board_4-GND on Bottom: 109,80 119,80 119,20.65 109,20.65
Board_4-GND on Bottom: 111.01,15.87 109,20.65 119,20.65 116.99,15.87 114,11.65
Board_5-/SensorCapV on Top: 135.01,15.87 133,20.65 143,20.65 140.99,15.87 138,11.65
Board_5-/SensorCapV on Top: 133,66 143,66 143,20.65 133,20.65
Board_5-GND on Top: 149,133.7 127,133.7 127,80 149,80
Board_5-GND on Top, Bottom: 149,133.7 127,133.7 127,80 149,80
Board_5-GND on Bottom: 133,80 143,80 143,20.65 133,20.65
Board_5-GND on Bottom: 135.01,15.87 133,20.65 143,20.65 140.99,15.87 138,11.65

## Text on the board
B.Silkscreen: M2 | TX | RX | IO9 | 3V3 | GND | ESPlant-v2.1
F.Silkscreen: GND | RX | TX | IO9 | 3V3 | USB | Bat | Boot | Reset | JLCJLCJLCJLC
